# Allegro board BeagleV-FIRE_REV-A_230911.brd (continued)
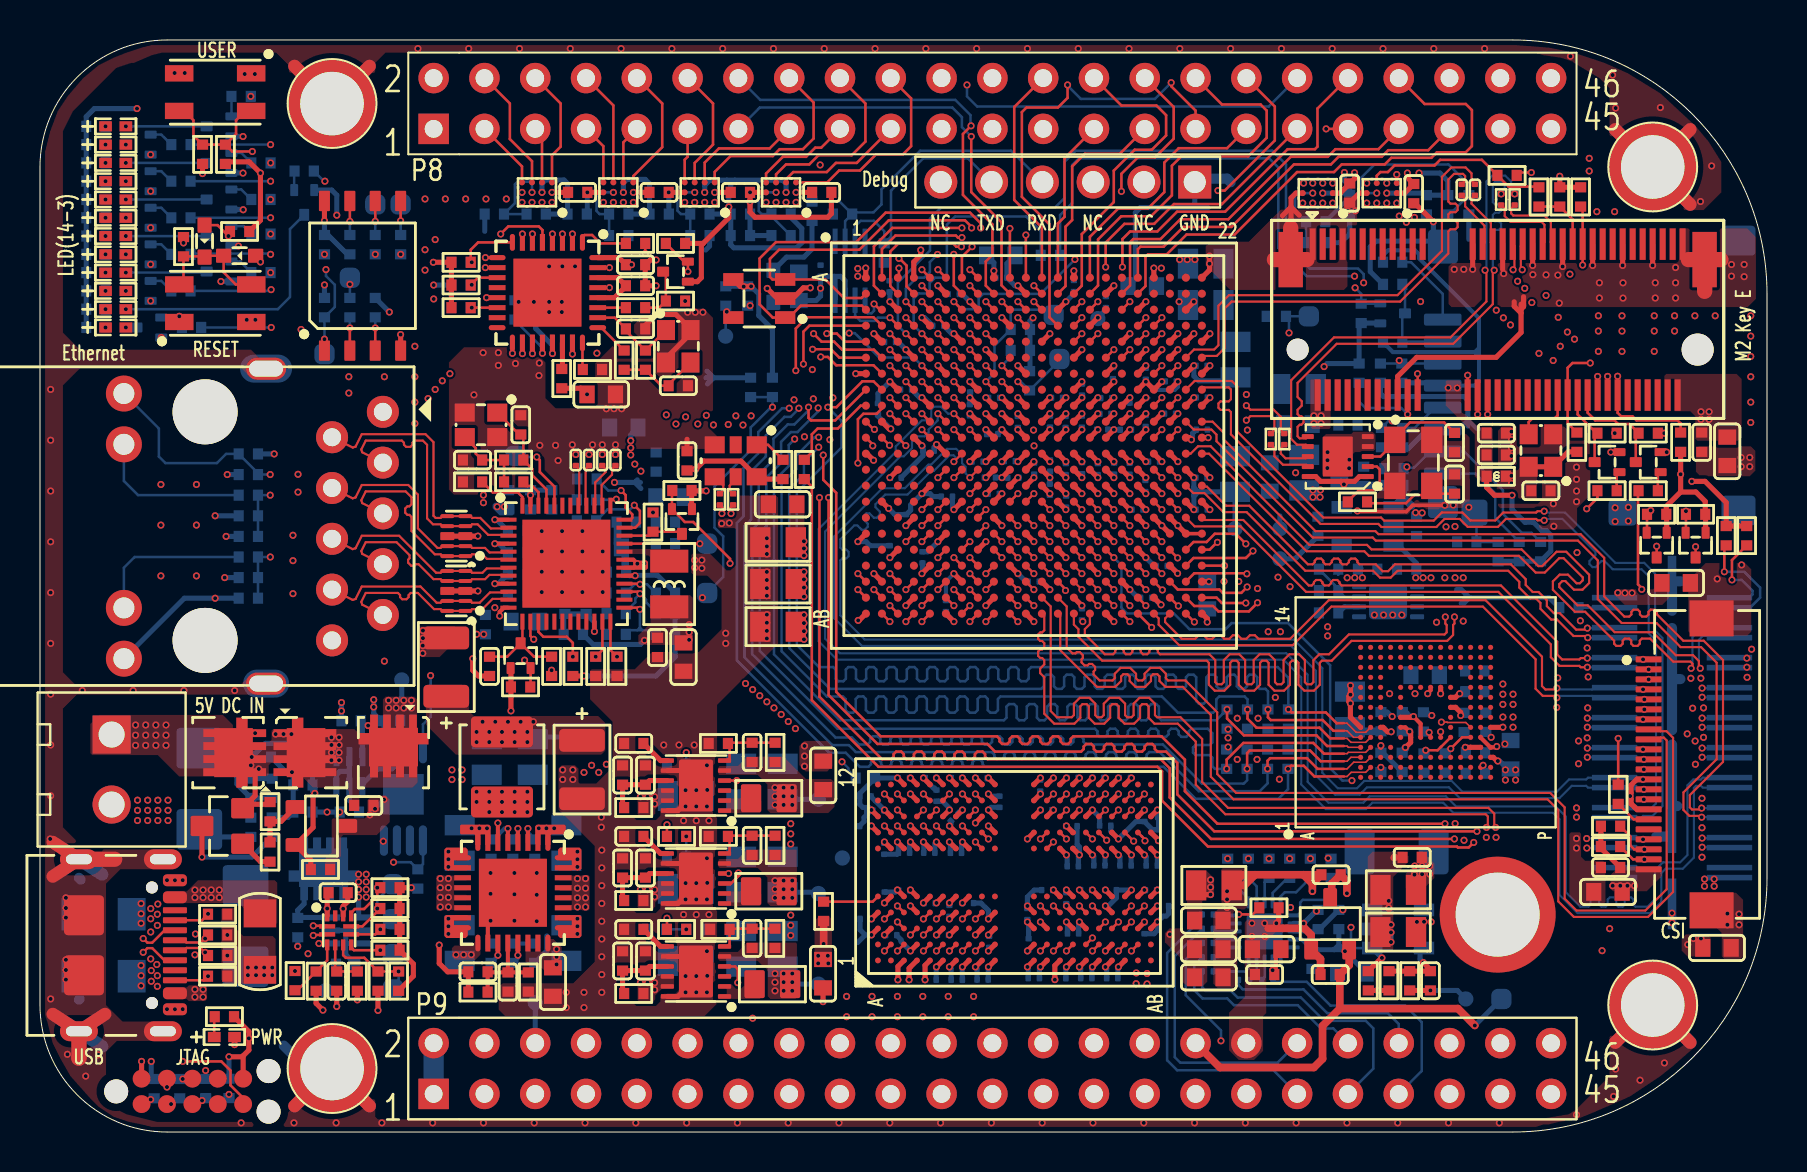
[diagram p0: board, top side]
## Routing (per net, layer and track width the routed paths; a pad name or vN(x,y) marks a point on that pad's centre or on a via; arc(x,y) is an arc through that point) (continued)
  TOP w0.127: U1.V21 57.68,29.5 58.33,29.5 58.75,29.92 59.8,29.92 v1(60.3,29.41)
  L10_SIG3 w0.102: v1(29.17,46.49) 29.32,46.35 29.32,46.34 29.52,46.13 31.3,46.13 32.6,44.84 35.94,44.84 36.78,44 38.98,44 43.34,48.36 58.71,48.36 60.3,46.78 60.3,37.61 60.73,37.18 60.73,34.66 60.3,34.22 v1(60.3,29.41)
B0_HSIO68P: length 56.3
  TOP w0.127: U1.W21 57.68,28.7 60.3,28.7 v1(60.66,29.06)
  L10_SIG3 w0.102: v1(29.67,46.49) 31.45,46.49 32.74,45.19 36.09,45.19 36.93,44.36 38.84,44.36 43.2,48.72 58.86,48.72 60.66,46.92 60.66,37.75 61.09,37.32 61.09,34.51 60.66,34.08 v1(60.66,29.06)
B0_HSIO69N: length 26.9
  TOP w0.127: U1.AA22 58.83,26.72 59.1,26.45 v1(60.3,26.45)
  L10_SIG3 w0.102: v1(64.14,46.45) 64.14,46.45 63.86,46.16 63.86,41.56 65.28,40.14 65.28,35.02 64.74,34.49 64.74,32.97 64.39,32.61 64.39,30.15 63.5,29.27 63.5,26.96 62.65,26.11 60.64,26.11 v1(60.3,26.45)
B0_HSIO69P: length 27.3
  TOP w0.127: v1(60.88,26.47) 60.45,26.04 58.93,26.04 58.66,26.3 57.72,26.3 U1.AA21
  L10_SIG3 w0.102: v1(63.64,46.45) 63.5,46.31 63.5,41.42 64.92,39.99 64.92,35.17 63.93,34.18 63.93,33.1 63.14,32.31 63.14,27.11 62.5,26.47 v1(60.88,26.47)
B0_HSIO70N: length 27.5
  TOP w0.107: U1.AB20 56.26,25.68 56.26,25.5 57.1,24.66 57.76,24.66 57.94,24.84 58.19,24.84 58.37,24.66 58.62,24.66 58.8,24.84 59.04,24.84 59.22,24.66 59.47,24.66 59.65,24.84 59.9,24.84 60.08,24.66 60.33,24.66 60.5,24.84 60.75,24.84 60.93,24.66 62.51,24.66 64.44,26.59 72.29,26.59 75.11,23.77 75.11,22.3 75.28,22.13 75.78,22.13 v1(75.85,22.2)
  BOTTOM w0.107: J8.14 77.69,22.22 77.6,22.13 75.92,22.13 v1(75.85,22.2)
B0_HSIO70P: length 27.5
  TOP w0.107: U1.AB19 55.94,25.68 55.94,25.37 56.97,24.34 62.65,24.34 64.58,26.27 72.15,26.27 74.79,23.64 74.79,22.17 75.15,21.81 75.78,21.81 75.85,21.74 v1(75.85,21.72)
  BOTTOM w0.107: J8.16 77.69,21.72 77.6,21.81 75.94,21.81 v1(75.85,21.72)
B0_HSIO71N: length 26.6
  TOP w0.127: v1(56.93,26.31) 56.92,26.31 U1.AA20
  L5_SIG2 w0.086: v1(56.93,26.31) 57.15,26.08 57.28,26.08 57.57,26.38 58.69,26.38 60.6,24.46 74.33,24.46 75.44,23.36 75.44,20.71 75.52,20.63 77,20.63 77.07,20.7 v1(77.38,20.7)
  BOTTOM w0.107: v1(77.38,20.7) 78.72,20.7 J8.18
B0_HSIO71P: length 26.5
  TOP w0.127: v1(57.73,25.51) 57.71,25.51 U1.AB21
  L5_SIG2 w0.086: v1(77.38,20.24) 77.07,20.24 77,20.31 75.39,20.31 75.12,20.58 75.12,23.23 74.2,24.15 60.47,24.15 59.93,24.68 59.77,24.68 59.61,24.85 59.61,25.01 59.45,25.17 59.28,25.17 59.12,25.34 59.12,25.5 58.56,26.06 57.7,26.06 57.5,25.86 57.5,25.74 v1(57.73,25.51)
  BOTTOM w0.107: v1(77.38,20.24) 78.72,20.24 J8.20
B0_HSIO72N: length 59.5
  TOP w0.127: U1.V19 v1(56.1,28.72)
  L3_SIG1 w0.102: v1(59.21,27.53) 58.95,27.53 58.6,27.88 57.97,27.88 57.56,28.3 56.82,28.3 56.39,28.72 v1(56.1,28.72)
  L10_SIG3 w0.102: v1(25.1,46.49) 25.46,46.13 27.35,46.13 28.06,45.42 31.01,45.42 32.3,44.13 35.65,44.13 36.48,43.29 39.28,43.29 42.29,46.3 58.45,46.3 59.59,45.17 59.59,27.91 v1(59.21,27.53)
B0_HSIO72P: length 59.2
  TOP w0.127: U1.V20 56.5,29.1 v1(56.89,28.71)
  L3_SIG1 w0.102: v1(56.89,28.71) 57.65,28.71 58.12,28.23 58.76,28.23 59.11,27.89 59.36,27.89 59.72,27.53 v1(59.94,27.53)
  L10_SIG3 w0.102: v1(59.94,27.53) 59.94,45.31 58.6,46.66 42.14,46.66 39.13,43.65 36.63,43.65 35.79,44.48 32.45,44.48 31.15,45.78 28.21,45.78 27.5,46.49 v1(25.6,46.49)
B0_HSIO73N_C2P_CLKN: length 50.4
  TOP w0.127: U1.U17 v1(54.5,29.52)
  L3_SIG1 w0.086: v1(54.5,29.52) 54.88,29.9 56.33,29.9 56.68,29.55 57.77,29.55 58.27,29.06 59.2,29.06 59.29,29.14 59.29,29.28 59.38,29.36 59.55,29.36 59.63,29.28 59.63,29.14 59.72,29.06 60.13,29.06 60.5,28.68 60.8,28.68 61.44,28.04 61.44,27.61 62.41,26.64 75.31,26.64 75.87,27.2 78.03,27.2 79.09,26.14 82.83,26.14 84.01,24.97 84.01,18.5 83.23,17.72 82.4,17.72 81.82,17.14 81.82,15.9 81.35,15.43 79.65,15.43 78.49,14.28 77.44,14.28 77.36,14.2 v1(77.35,14.2)
  BOTTOM w0.107: J8.36 78.72,14.2 v1(77.35,14.2)
B0_HSIO73P_C2P_CLKP: length 50.4
  TOP w0.127: U1.T17 v1(54.5,30.32)
  L3_SIG1 w0.086: v1(77.34,14.68) 77.36,14.68 77.44,14.6 78.36,14.6 79.51,15.75 81.22,15.75 81.5,16.04 81.5,17.27 82.27,18.03 83.1,18.03 83.69,18.63 83.69,24.84 82.7,25.83 78.96,25.83 77.9,26.89 76,26.89 75.44,26.33 62.28,26.33 61.13,27.48 61.13,27.91 60.67,28.37 60.37,28.37 60,28.74 58.14,28.74 57.64,29.24 56.64,29.24 56.56,29.15 54.26,29.15 54.1,29.31 54.1,29.72 54.5,30.12 v1(54.5,30.32)
  BOTTOM w0.107: v1(77.34,14.68) 78.7,14.68 J8.34
B0_HSIO75N: length 57.9
  TOP w0.127: U1.R16 v1(53.7,31.12)
  L3_SIG1 w0.102: v1(53.7,31.12) 54.12,31.55 55.14,31.55 55.14,31.54 58.97,31.54 59.84,32.41 61.62,32.41 62.18,32.97 v1(62.79,32.97)
  L10_SIG3 w0.102: v1(62.79,32.97) 62.79,33.19 63.22,33.62 63.22,37.8 64.16,38.74 64.16,39.75 62.79,41.12 62.79,47.81 62.13,48.47 62.13,50.99 61.15,51.97 41.7,51.97 40.74,51.01 40.74,49.28 37.95,46.49 v1(37.81,46.49)
B0_HSIO75P: length 62.8
  TOP w0.127: U1.T16 v1(53.7,30.32)
  L3_SIG1 w0.102: v1(53.7,30.32) 54.11,30.73 56.21,30.73 56.54,30.4 56.54,30.18 56.8,29.92 60.48,29.92 61.91,28.49 v1(61.91,27.75)
  L10_SIG3 w0.102: v1(61.91,27.75) 62.08,27.91 62.08,33.49 62.51,33.92 62.51,37.91 62.08,38.34 62.08,47.51 61.42,48.17 61.42,50.69 60.85,51.26 41.99,51.26 41.45,50.72 41.45,48.99 38.25,45.78 37.52,45.78 36.95,46.34 36.95,46.35 v1(36.81,46.49)
B0_HSIO76N_VIO_EN: length 32.9
  TOP w0.127: U1.V16 v1(53.7,28.72)
  TOP w0.254: R253.1 67.08,8.71 v1(67.1,8.71)
  L10_SIG3 w0.102: v1(65.56,10.24) 65.91,10.59 65.91,16.74 65.57,17.09 65.57,17.53 v1(65.6,17.57)
  BOTTOM w0.127: v1(65.56,10.24) 65.56,9.42 65.78,9.2 U36.1 ; v1(65.6,17.57) 65.13,17.57 64.52,18.19 64.52,23.34 62.41,25.45 59.59,25.45 59.28,25.15 57.48,25.15 56.69,25.93 54.36,25.93 54.08,26.21 54.08,28.35 v1(53.7,28.72)
  BOTTOM w0.254: v1(67.1,8.71) 66.62,9.19 U36.1
B0_HSIO76P: length 30.3
  TOP w0.127: U1.V17 v1(54.5,28.72)
  L5_SIG2 w0.102: v1(62.51,27.27) 61.83,27.27 61.27,27.84 61.27,28.24 60.83,28.68 60.35,28.68 59.92,29.1 54.88,29.1 v1(54.5,28.72)
  L10_SIG3 w0.102: v1(62.51,27.27) 62.79,27.55 62.79,32.46 63.58,33.25 63.58,34.33 64.57,35.32 64.57,39.85 63.14,41.27 v1(63.14,46.45)
B0_HSIO78N: length 31.5
  TOP w0.127: U1.AA18 v1(55.3,26.32)
  L10_SIG3 w0.102: v1(64.64,46.45) 64.64,46.45 64.21,46.01 64.21,41.71 65.63,40.29 65.63,34.88 65.1,34.34 65.1,32.82 64.74,32.46 64.74,30.01 63.86,29.12 63.86,26.81 62.8,25.76 60.73,25.76 60.02,25.04 56.58,25.04 v1(55.3,26.32)
B0_HSIO78P: length 32.5
  TOP w0.127: U1.AB18 v1(55.59,25.23)
  L10_SIG3 w0.102: v1(55.59,25.23) 55.89,25.23 56.43,24.69 60.17,24.69 60.88,25.4 62.94,25.4 64.21,26.67 64.21,28.97 65.1,29.86 65.1,31.74 65.58,32.23 65.58,32.81 65.99,33.22 65.99,40.44 64.57,41.86 64.57,43.8 66.34,45.58 v1(66.34,46.45)
B0_HSIO79N: length 61.8
  TOP w0.127: U1.W18 v1(55.3,27.92)
  L10_SIG3 w0.102: v1(55.3,27.92) 55.3,27.68 55.68,27.3 55.68,26.82 55.78,26.72 57.1,26.72 57.2,26.82 61.49,26.82 62.43,27.77 62.43,33.34 62.86,33.77 62.86,37.95 63.8,38.89 63.8,39.6 62.43,40.98 62.43,47.66 61.77,48.32 61.77,50.84 61,51.61 41.84,51.61 41.1,50.87 41.1,49.13 38.1,46.13 37.66,46.13 v1(37.31,46.49)
B0_HSIO81N: length 37.9
  TOP w0.127: U1.AA17 v1(54.5,26.32)
  L3_SIG1 w0.086: v1(54.5,26.32) 54.74,26.08 55.01,26.08 55.17,25.92 56.45,25.92 58.79,23.58 76.15,23.58 76.75,22.99 76.75,22.42 76.92,22.24 77.58,22.24 79.72,24.37 80.63,24.37 81.37,23.63 81.37,19.88 82.12,19.13 82.74,19.13 82.81,19.2 v1(83.12,19.2)
  BOTTOM w0.107: v1(83.12,19.2) 84.46,19.2 J8.21
B0_HSIO81P: length 37.9
  TOP w0.127: U1.AB17 v1(54.5,25.52)
  L3_SIG1 w0.086: v1(54.5,25.52) 54.74,25.77 54.88,25.77 55.04,25.61 56.32,25.61 58.66,23.27 76.02,23.27 76.43,22.86 76.43,22.28 76.79,21.92 77.71,21.92 79.85,24.05 80.5,24.05 81.05,23.5 81.05,19.74 81.99,18.81 82.74,18.81 82.81,18.74 v1(83.12,18.74)
  BOTTOM w0.107: J8.23 84.46,18.74 v1(83.12,18.74)
B0_HSIO82N: length 37.8
  TOP w0.127: U1.Y16 v1(53.7,27.12)
  L3_SIG1 w0.086: v1(53.7,27.12) 54.08,27.51 56.25,27.51 56.71,27.05 57.16,27.05 57.46,26.75 58.59,26.75 60.94,24.39 74.7,24.39 76.61,26.3 77.57,26.3 78.5,25.37 80.74,25.37 82.13,23.98 82.13,20.92 82.42,20.63 82.74,20.63 82.81,20.7 v1(83.12,20.7)
  BOTTOM w0.107: J8.17 84.46,20.7 v1(83.12,20.7)
B0_HSIO82P: length 37.8
  TOP w0.127: U1.AA16 v1(53.7,26.32)
  L3_SIG1 w0.086: v1(83.12,20.24) 82.81,20.24 82.74,20.31 82.29,20.31 81.82,20.79 81.82,23.85 80.61,25.06 78.37,25.06 77.44,25.99 76.74,25.99 74.83,24.08 60.81,24.08 59.81,25.08 59.66,25.08 59.49,25.25 59.49,25.4 59.32,25.57 59.17,25.57 59,25.73 59,25.89 58.46,26.43 57.33,26.43 57.03,26.73 54.11,26.73 v1(53.7,26.32)
  BOTTOM w0.107: J8.19 84.46,20.24 v1(83.12,20.24)
B0_HSIO83N: length 31.8
  TOP w0.127: U1.W17 v1(54.5,27.92)
  L5_SIG2 w0.086: v1(54.5,27.92) 54.26,27.68 54.26,27.56 54.35,27.47 54.36,27.47 54.64,27.47 54.85,27.27 54.85,26.97 55.12,26.7 55.45,26.7 55.67,26.48 55.67,26.14 55.95,25.87 56.18,25.87 56.31,25.73 56.31,25.51 56.44,25.38 56.67,25.38 56.8,25.25 56.8,25.02 56.93,24.89 57.15,24.89 57.29,24.76 57.29,24.53 57.42,24.4 57.64,24.4 57.77,24.27 57.77,24.04 58.21,23.61 73.82,23.61 74.46,22.97 74.46,19.73 75.05,19.13 77,19.13 77.07,19.2 v1(77.38,19.2)
  BOTTOM w0.107: J8.22 78.72,19.2 v1(77.38,19.2)
B0_HSIO83P: length 31.8
  TOP w0.127: U1.W16 v1(53.7,27.92)
  L5_SIG2 w0.086: v1(77.38,18.74) 77.07,18.74 77,18.81 74.92,18.81 74.14,19.59 74.14,22.83 73.69,23.29 58.08,23.29 55.42,25.95 55.14,25.95 54.93,26.17 54.93,26.44 54.9,26.47 54.6,26.78 54.36,26.78 54.15,26.98 54.15,27.22 53.94,27.43 53.94,27.68 v1(53.7,27.92)
  BOTTOM w0.107: J8.24 78.72,18.74 v1(77.38,18.74)
B0_HSIO89P: length 64.1
  TOP w0.127: v1(51.3,27.92) U1.W13
  L3_SIG1 w0.102: v1(51.3,27.92) 51.68,28.3 56.26,28.3 56.53,28.03 56.53,27.79 56.84,27.48 57.91,27.48 58.27,27.13 59.92,27.13 60.17,26.87 60.58,26.87 v1(60.88,27.18)
  L10_SIG3 w0.102: v1(60.88,27.18) 60.88,27.22 61.72,28.06 61.72,33.63 62.15,34.07 62.15,37.76 61.72,38.2 61.72,47.37 61.06,48.03 61.06,50.55 60.71,50.9 42.14,50.9 41.81,50.57 41.81,48.84 38.39,45.42 37.37,45.42 36.31,46.48 v1(36.31,46.49)
B0_HSIO90N: length 56.1
  TOP w0.127: U1.V15 v1(52.9,28.72)
  L3_SIG1 w0.102: v1(52.9,28.72) 52.49,29.13 51.21,29.13 50.9,29.44 50.9,30.48 50.67,30.71 50.41,30.71 49.34,31.78 49.3,31.82 49.3,32.18 49.15,32.33 43.97,32.33 43.53,31.9 42.09,31.9 41.18,30.99 36.08,30.99 34.81,29.72 33.75,29.72 33.24,30.23 28.99,30.23 27.08,32.13 25.28,32.13 20.14,37.27 20.14,37.54 v1(20.12,37.57)
  L5_SIG2 w0.102: v1(28.17,46.49) 28.17,46.03 27.94,45.8 21.67,45.8 20.12,44.25 v1(20.12,37.57)
B0_HSIO90P: length 58.9
  TOP w0.127: U1.V14 v1(52.1,28.72)
  L3_SIG1 w0.102: v1(20.5,37.92) 20.5,37.41 25.43,32.49 27.23,32.49 29.13,30.58 33.3,30.58 33.39,30.58 33.9,30.07 34.66,30.07 35.93,31.34 41.03,31.34 41.94,32.25 43.38,32.25 43.82,32.69 44.27,32.69 44.7,33.12 49.2,33.12 49.3,33.22 49.3,33.91 v1(49.71,34.32)
  L5_SIG2 w0.102: v1(20.5,37.92) 20.5,44.12 21.79,45.42 28.4,45.42 28.67,45.69 v1(28.67,46.49) ; v1(52.1,28.72) 51.72,29.1 51.72,33.99 51.39,34.32 v1(49.71,34.32)
B0_HSIO94N: length 57.6
  TOP w0.127: U1.T12 v1(50.5,30.32)
  L3_SIG1 w0.102: v1(19.76,37.13) 19.77,37.13 25.13,31.78 26.93,31.78 28.84,29.87 33.1,29.87 33.6,29.36 34.96,29.36 36.23,30.63 41.33,30.63 42.23,31.54 49.03,31.54 50.25,30.32 v1(50.5,30.32)
  L5_SIG2 w0.102: v1(33.24,46.49) 33.24,45.74 32.97,45.47 29.74,45.47 28.8,44.53 21.4,44.53 20.85,43.98 20.85,37.36 20.62,37.13 v1(19.76,37.13)
B0_HSIO94P: length 59.7
  TOP w0.127: U1.U12 v1(50.5,29.52)
  L3_SIG1 w0.102: v1(50.5,29.52) 50.5,29.79 50.32,29.97 49.55,29.97 49.3,30.22 49.3,30.51 49.06,30.74 42.73,30.74 42.42,30.43 41.63,30.43 41.47,30.28 36.37,30.28 35.1,29.01 32.79,29.01 32.28,29.51 28.69,29.51 26.79,31.42 24.45,31.42 24.17,31.7 24.17,32.23 19.73,36.68 v1(19.41,36.68)
  L5_SIG2 w0.102: v1(19.41,36.68) 20.81,36.68 21.21,37.07 21.21,43.83 21.55,44.17 28.95,44.17 29.89,45.11 33.45,45.11 33.74,45.4 v1(33.74,46.49)
B1_GPIO0N: length 86.5
  TOP w0.127: U1.C12 v1(49.7,41.52)
  L5_SIG2 w0.102: v1(73.53,40.36) 69.88,40.36 69.44,40.79 65.58,40.79 64.24,42.14 56.49,42.14 56.28,42.35 54.27,42.35 53.87,41.96 50.14,41.96 v1(49.7,41.52)
  L10_SIG3 w0.102: v1(73.53,40.36) 73.53,37.16 72.71,36.34 71.74,36.34 71.5,36.1 71.5,35.17 72.16,34.51 72.16,24.86 70.95,23.65 67.47,23.65 66.29,22.47 66.29,17.4 66.62,17.07 66.62,9.31 63.79,6.48 49.56,6.48 48.89,5.82 48.89,3.17 P9.23
B1_GPIO0P: length 84.3
  TOP w0.127: U1.B12 v1(49.7,42.32)
  L5_SIG2 w0.102: v1(73.18,40.72) 70.02,40.72 69.59,41.15 65.73,41.15 64.38,42.49 56.64,42.49 56.42,42.71 50.83,42.71 50.44,42.32 v1(49.7,42.32)
  L10_SIG3 w0.102: P9.24 47.62,6.17 48.29,6.83 63.65,6.83 66.27,9.45 66.27,16.93 65.94,17.26 65.94,22.62 67.32,24 70.8,24 71.81,25.01 71.81,34.36 71.14,35.02 71.14,36.25 71.59,36.69 72.56,36.69 73.18,37.31 v1(73.18,40.72)
B1_GPIO1N: length 11.2
  TOP w0.127: U1.A12 50.1,45.23 48.72,46.61 48.72,51.26 P8.26
B1_GPIO1P: length 8.2
  TOP w0.127: U1.A13 50.9,45.43 51.23,45.77 51.23,48.69 P8.27
B1_GPIO2N: length 15.9
  TOP w0.127: U1.D14 v1(52.1,40.72) ; v1(54.08,47.04) 54.08,47.92 54.9,48.74 55.76,48.74 56.69,49.68 56.69,51.26 P8.30
  L3_SIG1 w0.102: v1(52.1,40.72) 51.71,41.11 51.71,42.18 54.08,44.55 v1(54.08,47.04)
B1_GPIO2P: length 23.3
  TOP w0.127: v1(51.38,52.36) 51.38,51.71 50.9,51.23 49.33,51.23 49.1,51 49.1,46.77 50.48,45.38 50.48,40.74 U1.D13 ; P8.31 57.78,51.08 56.57,52.3 v1(56.57,52.48)
  BOTTOM w0.127: v1(56.57,52.48) 55.75,51.66 52.04,51.66 51.38,52.32 v1(51.38,52.36)
B1_GPIO3N: length 15.7
  TOP w0.127: U1.B14 52.1,42.32 52.1,44.9 53.7,46.5 53.7,48.08 54.74,49.12 55.6,49.12 56.31,49.83 56.31,50.85 55.83,51.33 54.08,51.33 P8.28
B1_GPIO3P: length 11.1
  TOP w0.127: P8.29 54,48.92 52.25,48.92 51.61,48.29 51.61,45.61 51.28,45.28 51.28,42.3 U1.B13
B1_GPIO4N: length 17.8
  TOP w0.127: P8.34 61.75,51.28 61.75,49.59 59.24,47.08 v1(58.9,47.08) ; U1.C15 v1(52.9,41.52)
  L3_SIG1 w0.102: v1(52.9,41.52) 52.9,42.28 53.75,43.13 53.75,43.71 55.45,45.42 58.17,45.42 58.9,46.15 v1(58.9,47.08)
B1_GPIO4P: length 15.9
  TOP w0.127: P8.35 59.11,46.41 56.7,46.41 55.71,45.42 54.23,45.42 53.29,44.48 v1(53.29,43.26) ; U1.C14 v1(52.1,41.52)
  L3_SIG1 w0.102: v1(52.1,41.52) 52.1,42.07 v1(53.29,43.26)
B1_GPIO5N: length 19.9
  TOP w0.127: P8.32 59.11,51.38 61.04,51.38 61.34,51.08 61.34,49.72 60.42,48.79 57.07,48.79 56.6,48.32 56.6,46.84 55.56,45.8 54.07,45.8 52.91,44.64 52.91,42.33 U1.B15
B1_GPIO5P: length 13
  TOP w0.127: U1.A15 52.5,44.77 53.91,46.18 55.4,46.18 56.22,47 56.22,48.48 56.94,49.2 59.36,49.2 P8.33
B1_GPIO9N: length 71.6
  TOP w0.127: U1.E14 v1(52.1,39.92)
  L5_SIG2 w0.102: v1(52.1,39.92) 52.48,40.3 52.48,40.87 52.72,41.1 53.52,41.1 54.35,41.94 56,41.94 56.79,41.15 58.9,41.15 59.53,41.78 64.09,41.78 65.44,40.44 69.3,40.44 69.73,40 v1(76.38,40)
  L10_SIG3 w0.102: v1(76.38,40) 76.38,34.62 77.8,33.2 77.8,30.49 77.48,30.17 77.48,27.63 77.8,27.31 77.8,13.39 77.4,12.99 77.4,8.32 76.28,7.19 76.28,3.63 76,3.35 71.58,3.35 P9.42
B1_GPIO9P: length 70.5
  TOP w0.127: U1.E15 v1(52.9,39.92)
  L5_SIG2 w0.102: v1(52.9,39.92) 54.1,41.12 56.31,41.12 56.64,40.79 59.04,40.79 59.68,41.43 63.94,41.43 65.29,40.08 69.15,40.08 69.58,39.65 v1(76.73,39.65)
  L10_SIG3 w0.102: v1(76.73,39.65) 76.73,34.77 78.16,33.35 78.16,30.33 77.84,30.01 77.84,27.79 78.16,27.47 78.16,13.23 78.15,13.23 77.76,12.84 77.76,8.17 76.63,7.05 76.63,3.48 76.15,3 71.58,3 P9.41
B1_GPIO11N: length 78.4
  TOP w0.127: U1.F16 v1(53.7,39.12)
  L5_SIG2 w0.102: v1(74.96,38.94) 69.29,38.94 68.85,39.37 64.99,39.37 63.65,40.72 59.97,40.72 58.78,39.52 54.1,39.52 v1(53.7,39.12)
  L10_SIG3 w0.102: v1(74.96,38.94) 74.96,36.39 73.99,35.42 73.99,24.81 74.85,23.94 74.85,13.88 75.97,12.77 75.97,8.9 74.21,7.14 71.06,7.14 70.55,6.63 67.34,6.63 66.13,5.42 66.13,4.15 65.7,3.72 55.97,3.72 P9.30
B1_GPIO11P: length 79.3
  TOP w0.127: U1.F17 v1(54.5,39.12)
  L5_SIG2 w0.102: v1(54.5,39.12) 54.89,38.73 58.5,38.73 60.12,40.36 63.5,40.36 64.85,39.01 68.71,39.01 69.14,38.58 v1(75.67,38.58)
  L10_SIG3 w0.102: v1(75.67,38.58) 75.67,34.33 76.08,33.91 76.08,24.37 76.25,24.21 76.25,20.6 75.56,19.91 75.56,14.18 76.68,13.06 76.68,8.61 74.5,6.43 71.35,6.43 70.85,5.92 67.63,5.92 66.84,5.13 66.84,3.67 66.18,3.01 56.35,3.01 P9.29
B1_GPIO14N: length 106.9
  TOP w0.127: U1.D19 v1(56.1,40.72)
  L3_SIG1 w0.102: P9.13 36.02,3 56.08,3 56.77,3.7 56.77,5.21 57.38,5.82 75.13,5.82 78.11,8.8 v1(78.11,9.07) ; v1(76.5,42.9) 76.5,43.94 76.29,44.15 68.88,44.15 66.23,41.5 61.82,41.5 60.66,40.34 56.48,40.34 v1(56.1,40.72)
  L10_SIG3 w0.102: v1(76.5,42.9) 76.5,40.51 77.14,39.88 77.14,34.86 79.79,32.21 79.79,28.78 78.51,27.5 78.51,13.09 78.12,12.69 78.12,9.07 v1(78.11,9.07)
B1_GPIO15N: length 19.6
  TOP w0.127: U1.C17 v1(54.5,41.52) ; P8.38 63.88,51.18 63.88,49.28 63.75,49.15 62.39,49.15 59.26,46.02 56.86,46.02 55.87,45.03 54.51,45.03 54.13,44.65 v1(54.13,43.26)
  L3_SIG1 w0.102: v1(54.5,41.52) 54.13,41.9 v1(54.13,43.26)
B1_GPIO15P: length 18.5
  TOP w0.127: U1.B17 54.51,42.33 54.51,44.5 54.67,44.65 56.03,44.65 57.02,45.64 59.42,45.64 62.55,48.77 64.39,48.77 64.78,49.15 66.93,49.15 P8.39
B1_GPIO16N: length 77.2
  TOP w0.127: U1.E18 v1(55.3,39.92)
  L5_SIG2 w0.102: v1(76.02,39.29) 69.43,39.29 69,39.73 65.14,39.73 63.79,41.07 59.83,41.07 59.03,40.28 56.28,40.28 56.26,40.3 55.94,40.3 55.9,40.26 55.64,40.26 v1(55.3,39.92)
  L10_SIG3 w0.102: P9.31 58.53,2.65 66.33,2.65 67.2,3.52 67.2,4.98 67.78,5.56 70.99,5.56 71.5,6.07 74.65,6.07 77.04,8.46 77.04,13.21 75.92,14.33 75.92,19.77 76.61,20.45 76.61,24.35 76.44,24.52 76.44,34.06 76.02,34.47 v1(76.02,39.29)
B1_GPIO16P: length 32.8
  TOP w0.127: U1.D18 v1(55.3,40.72)
  L3_SIG1 w0.102: P8.46 77.24,51.03 77.24,49.33 76.58,48.67 76.58,44.75 76.33,44.51 68.74,44.51 66.09,41.86 61.68,41.86 60.54,40.72 56.79,40.72 56.39,41.12 55.7,41.12 v1(55.3,40.72)
B1_GPIO17N: length 26.7
  TOP w0.127: U1.B18 55.28,42.3 55.28,43.76 55.41,43.89 56.35,43.89 57.34,44.88 59.74,44.88 62.86,48.01 64.71,48.01 65.09,48.39 67.24,48.39 67.58,48.72 69.58,48.72 69.86,49 71.3,49 71.6,49.3 71.6,51.1 71.3,51.41 69.24,51.41 P8.40
B1_GPIO17P: length 19.5
  TOP w0.127: U1.A18 54.9,44.15 55.03,44.27 56.19,44.27 57.18,45.26 59.58,45.26 62.7,48.39 64.55,48.39 64.93,48.77 67.09,48.77 67.42,49.1 69.42,49.1 P8.41
B1_GPIO168N: length 40.1
  TOP w0.127: U1.D6 v1(44.9,40.72)
  L3_SIG1 w0.102: P8.42 69.74,51.96 45.96,51.96 45.6,51.6 43.97,51.6 43.28,50.91 43.28,49.5 42.6,48.82 42.6,45.2 43.33,44.47 43.33,42.85 43.72,42.46 43.72,42.17 43.94,41.94 44.24,41.94 44.48,41.7 44.48,41.4 44.9,40.98 v1(44.9,40.72)
B1_GPIO168P: length 42
  TOP w0.127: U1.D7 v1(45.7,40.72)
  L3_SIG1 w0.102: v1(45.7,40.72) 46.14,41.17 46.14,41.62 45.02,42.74 44.72,42.74 44.48,42.98 44.48,44.32 43.31,45.5 43.31,48.52 43.99,49.21 43.99,50.62 44.26,50.89 45.9,50.89 46.25,51.24 71.95,51.24 P8.43
B1_GPIO169N: length 33.3
  TOP w0.127: v1(42.95,43.69) 42.98,43.69 43.33,43.33 43.33,42.29 U1.B4
  L3_SIG1 w0.102: v1(42.95,43.69) 41.43,45.21 41.43,50.83 41.94,51.33 43.2,51.33 43.82,51.96 45.45,51.96 45.86,52.36 v1(46.36,52.36)
  BOTTOM w0.127: v1(46.36,52.36) 46.36,51.79 46.86,51.28 61.44,51.28 P8.36
B1_GPIO169P: length 32.2
  TOP w0.127: P8.37 v1(64.31,50.16) ; U1.C4 v1(43.3,41.52)
  L3_SIG1 w0.102: v1(44.88,43.89) 44.88,44.44 43.81,45.51 43.81,48.4 44.41,49 45.51,49 46.1,49.59 46.1,50.55 46.44,50.89 63.59,50.89 v1(64.31,50.16)
  BOTTOM w0.127: v1(43.3,41.52) 43.3,42.18 43.84,42.72 44.22,42.72 44.5,43 44.5,43.5 v1(44.88,43.89)
B1_GPIO170N: length 53.6
  TOP w0.127: U1.B5 v1(44.1,42.32)
  L5_SIG2 w0.102: P9.11 33.66,3.17 33.66,5.31 34.44,6.1 34.44,12.38 34.05,12.77 34.05,13.23 34.49,13.66 34.49,17.72 34.92,18.16 34.92,19.99 33.5,21.42 33.5,29.65 33.28,29.87 32.96,29.87 32.71,30.12 32.71,31.54 32.08,32.17 32.08,33.9 31.32,34.67 v1(31.32,35.86)
  L10_SIG3 w0.102: v1(44.1,42.32) 43.74,42.68 41.42,42.68 40.5,41.76 37.97,41.76 35.68,39.47 34.51,39.47 31.9,36.86 31.9,36.44 v1(31.32,35.86)
B1_GPIO170P: length 51.5
  TOP w0.127: U1.C5 v1(44.1,41.52)
  L3_SIG1 w0.102: P9.12 33.63,5.69 v1(35.64,5.69)
  L5_SIG2 w0.102: v1(35.64,5.69) 35.64,20.29 34.21,21.71 34.21,23.6 35.27,24.66 35.27,31.72 32.28,34.71 v1(32.28,35.76)
  L10_SIG3 w0.102: v1(32.28,35.76) 32.61,36.09 32.61,36.56 34.81,38.76 35.97,38.76 38.26,41.05 40.8,41.05 41.71,41.96 43.43,41.96 43.87,41.52 v1(44.1,41.52)
B1_GPIO171P: length 49.9
  TOP w0.127: U1.C6 v1(44.9,41.52)
  L5_SIG2 w0.102: P9.14 34.92,5.82 35.28,6.17 35.28,20.14 33.86,21.56 33.86,29.79 33.5,30.15 33.5,30.41 33.07,30.84 33.07,31.69 32.44,32.32 32.44,34.05 31.8,34.69 v1(31.8,35.41)
  L10_SIG3 w0.102: v1(31.8,35.41) 31.8,35.84 32.25,36.3 32.25,36.71 34.66,39.12 35.82,39.12 38.12,41.41 40.65,41.41 41.56,42.32 43.59,42.32 44,41.91 44.51,41.91 v1(44.9,41.52)
B1_GPIO172N: length 54.9
  TOP w0.127: U1.A5 v1(44.1,43.12)
  L5_SIG2 w0.102: v1(32.89,35.41) 32.89,34.6 35.62,31.87 35.62,24.51 34.57,23.46 34.57,21.86 35.99,20.44 35.99,6.53 36.47,6.05 36.47,2.9 P9.15
  L10_SIG3 w0.102: v1(32.89,35.41) 32.89,35.87 32.97,35.94 32.97,36.41 34.96,38.41 36.12,38.41 38.41,40.7 41.69,40.7 42.11,41.12 45.16,41.12 45.32,41.28 45.32,42.49 45.09,42.72 44.78,42.72 44.38,43.12 v1(44.1,43.12)
B1_GPIO172P: length 53
  TOP w0.127: U1.A6 v1(44.9,43.12)
  L5_SIG2 w0.102: P9.16 37.47,5.56 36.35,6.68 36.35,20.58 34.92,22.01 34.92,23.31 35.98,24.36 35.98,32.02 33.32,34.68 v1(33.32,35.84)
  L10_SIG3 w0.102: v1(33.32,35.84) 33.32,36.27 35.1,38.05 36.27,38.05 38.56,40.34 45.86,40.34 46.08,40.57 46.08,42.62 45.57,43.12 v1(44.9,43.12)
B1_GPIO173N: length 96.4
  TOP w0.127: v1(45.69,43.89) 45.69,42.33 U1.B7
  L5_SIG2 w0.102: v1(74.24,42.19) 70.56,42.19 69.62,43.13 67.36,43.13 66.57,43.92 61.11,43.92 60.15,44.88 51.49,44.88 50.04,43.43 47.22,43.43 46.77,43.89 v1(45.69,43.89)
  L10_SIG3 w0.102: v1(74.24,42.19) 74.24,36.69 72.87,35.32 72.87,24.64 74.14,23.37 74.14,13.59 75.26,12.47 75.26,9.19 73.91,7.85 66.17,7.85 64.09,5.77 52.04,5.77 51.38,5.11 51.38,3.12 P9.25
B1_GPIO173P: length 88.9
  TOP w0.127: v1(46.61,44.27) 46.1,43.76 U1.A7
  L5_SIG2 w0.102: v1(73.89,42.55) 70.71,42.55 69.77,43.48 67.51,43.48 66.72,44.27 61.26,44.27 60.29,45.24 51.34,45.24 49.9,43.79 47.37,43.79 46.89,44.27 v1(46.61,44.27)
  L10_SIG3 w0.102: P9.26 50.17,5.46 50.83,6.12 63.94,6.12 66.98,9.16 66.98,17.22 66.65,17.55 66.65,22.33 67.61,23.29 71.09,23.29 72.52,24.71 72.52,35.47 73.89,36.84 v1(73.89,42.55)
B1_GPIO174N: length 43.9
  TOP w0.127: U1.D8 v1(46.5,40.72)
  L3_SIG1 w0.102: v1(46.5,40.72) 46.16,40.39 45.49,40.39 45.28,40.6 45.28,41.68 45.02,41.94 44.74,41.94 44.52,42.17 44.52,42.44 44.22,42.74 43.94,42.74 43.69,43 43.69,44.61 42.95,45.35 42.95,48.67 43.64,49.36 43.64,50.76 44.12,51.24 45.75,51.24 46.1,51.6 71.92,51.6 P8.44
B1_GPIO174P: length 41.9
  TOP w0.127: U1.D9 v1(47.3,40.72)
  L3_SIG1 w0.102: v1(47.3,40.72) 46.86,41.17 46.86,41.67 46.58,41.94 46.32,41.94 45.28,42.98 45.28,44.54 44.17,45.65 44.17,48.25 44.56,48.64 45.66,48.64 46.45,49.43 69.94,49.43 70.19,49.17 74.57,49.17 P8.45
B1_GPIO175N: length 73
  TOP w0.127: U1.B8 v1(46.5,42.32)
  L5_SIG2 w0.102: v1(27.58,18.34) 27.58,18.93 31.33,22.68 31.33,25.91 31.65,26.22 31.65,31.1 31.01,31.73 31.01,33.46 30.25,34.22 30.25,36.74 31.91,38.41 35.57,38.41 38.64,41.48 40.73,41.48 41.52,42.26 43.5,42.26 43.94,42.7 43.95,42.7 43.99,42.74 46.08,42.74 v1(46.5,42.32)
  L10_SIG3 w0.102: P9.21 43.98,3.01 29.06,3.01 28.4,3.67 28.4,6.14 28.93,6.68 28.93,16.23 27.56,17.6 27.56,18.31 v1(27.58,18.34)
B1_GPIO175P: length 73.1
  TOP w0.127: U1.A8 v1(46.5,43.12)
  L5_SIG2 w0.102: v1(27.94,17.98) 27.94,18.78 31.69,22.53 31.69,25.76 32,26.08 32,31.24 31.37,31.88 31.37,33.61 30.61,34.37 30.61,36.6 32.06,38.05 35.72,38.05 38.79,41.12 40.88,41.12 41.66,41.9 46.71,41.9 46.84,42.04 46.84,42.79 v1(46.5,43.12)
  L10_SIG3 w0.102: v1(27.94,17.98) 27.94,17.72 29.29,16.38 29.29,6.53 28.75,5.99 28.75,3.82 29.2,3.37 44.01,3.37 P9.22
B1_GPIO176N: length 71.5
  TOP w0.127: U1.C9 v1(47.3,41.52)
  L5_SIG2 w0.102: v1(47.3,41.52) 47.3,42.83 46.65,43.48 46.64,43.48 46.62,43.5 43.94,43.5 43.72,43.28 43.72,42.98 43.35,42.62 41.37,42.62 40.59,41.83 38.5,41.83 35.42,38.76 31.77,38.76 29.9,36.89 29.9,34.08 30.66,33.31 30.66,31.58 31.29,30.95 31.29,26.37 30.98,26.06 30.98,22.82 27.2,19.05 v1(27.2,17.98)
  L10_SIG3 w0.102: P9.17 39.26,2.65 28.91,2.65 28.04,3.52 28.04,6.29 28.58,6.82 28.58,16.08 27.2,17.45 v1(27.2,17.98)
B1_GPIO176P: length 66.6
  TOP w0.127: U1.C10 v1(48.1,41.52)
  L5_SIG2 w0.102: v1(48.1,41.52) 47.72,41.14 42.26,41.14 41.88,40.77 38.94,40.77 35.87,37.69 32.21,37.69 30.96,36.45 30.96,34.52 31.72,33.76 31.72,32.03 32.36,31.39 32.36,25.93 32.04,25.61 32.04,22.38 28.32,18.66 v1(28.32,18.39)
  L10_SIG3 w0.102: v1(28.32,18.39) 28.32,17.85 29.64,16.53 29.64,6.38 29.11,5.85 29.11,3.96 29.35,3.72 39.28,3.72 P9.18
B1_GPIO178N: length 93
  TOP w0.127: U1.D11 v1(48.9,40.72)
  L5_SIG2 w0.102: v1(75.31,41.84) 70.41,41.84 69.47,42.77 67.28,42.77 66.5,43.56 60.97,43.56 60,44.53 51.64,44.53 50.19,43.08 48.89,43.08 48.52,42.7 48.52,41.1 v1(48.9,40.72)
  L10_SIG3 w0.102: v1(75.31,41.84) 75.31,36.24 74.35,35.27 74.35,24.95 75.21,24.09 75.21,14.03 76.33,12.91 76.33,8.75 74.36,6.78 71.21,6.78 70.7,6.27 67.48,6.27 66.48,5.28 66.48,3.81 66.04,3.37 54.17,3.37 P9.27
B1_GPIO178P: length 88.1
  TOP w0.127: U1.C11 v1(48.9,41.52)
  L5_SIG2 w0.102: v1(48.9,41.52) 49.26,41.88 49.26,42.4 49.58,42.72 50.34,42.72 51.79,44.17 59.85,44.17 60.82,43.21 66.45,43.21 67.23,42.42 69.33,42.42 70.26,41.48 v1(74.6,41.48)
  L10_SIG3 w0.102: P9.28 52.7,5.31 52.81,5.41 64.24,5.41 66.32,7.49 74.06,7.49 75.62,9.05 75.62,12.62 74.5,13.74 74.5,23.52 73.23,24.79 73.23,35.17 74.6,36.55 v1(74.6,41.48)
CAM_C_N: length 53.7
  TOP w0.107: U1.AB13 51.02,25.8 51.02,24.1 52.85,22.26 53.77,22.26 54.06,22.55 54.06,22.78 54.17,22.89 54.38,22.89 54.49,22.78 54.49,22.55 54.78,22.26 55.26,22.26 55.56,22.55 55.56,22.78 55.66,22.89 55.88,22.89 55.98,22.78 55.98,22.55 56.28,22.26 57.14,22.26 58.55,20.86 58.55,17.77 59.68,16.64 75.39,16.64 75.92,16.1 75.92,11.54 76.7,10.75 80.41,10.75 81.66,12.01 81.66,19.71 81.33,20.04 81.05,20.04 80.96,20.14 J7.8
CAM_C_P: length 53.8
  TOP w0.107: J7.9 80.96,19.63 81.05,19.72 81.2,19.72 81.34,19.58 81.34,12.14 80.28,11.07 76.83,11.07 76.24,11.67 76.24,16.24 75.52,16.96 59.81,16.96 58.87,17.9 58.87,20.99 57.28,22.58 56.41,22.58 56.3,22.69 56.3,22.92 56.01,23.21 55.53,23.21 55.24,22.92 55.24,22.69 55.13,22.58 54.92,22.58 54.81,22.69 54.81,22.92 54.51,23.21 54.04,23.21 53.74,22.92 53.74,22.69 53.63,22.58 52.99,22.58 52.69,22.88 52.69,23.03 52.76,23.11 52.76,23.26 52.61,23.41 52.46,23.41 52.38,23.33 52.23,23.33 52.08,23.48 52.08,23.63 52.15,23.7 52.15,23.85 52,24 51.84,24 51.78,23.94 51.63,23.94 51.34,24.23 51.34,26.28 U1.AA13
CAM_D0_N: length 50.7
  TOP w0.107: v1(72.33,15.23) 72.4,15.3 72.4,15.78 72.29,15.89 59.27,15.89 57.8,17.37 57.8,19.52 56.9,20.42 55.73,20.42 55.43,20.72 55.43,21.29 55.33,21.39 55.11,21.39 55.01,21.29 55.01,20.72 54.71,20.42 54.24,20.42 53.94,20.72 53.94,21.29 53.83,21.39 53.62,21.39 53.51,21.29 53.51,20.72 53.22,20.42 52.74,20.42 52.45,20.72 52.45,21.29 52.34,21.39 52.13,21.39 52.02,21.29 52.02,20.72 51.73,20.42 50.72,20.42 50.22,20.92 50.22,22.74 50.01,22.95 50.01,23.18 50.22,23.38 50.22,23.6 50.11,23.7 50.02,23.7 49.91,23.81 49.91,24.02 50.02,24.13 50.11,24.13 50.22,24.24 50.22,24.45 50.11,24.56 50.02,24.56 49.91,24.66 49.91,24.88 50.02,24.98 50.11,24.98 50.22,25.09 50.22,25.8 U1.AB12
  L3_SIG1 w0.086: v1(72.33,15.23) 72.33,15.54 72.4,15.61 72.4,16.6 72.87,17.07 77.1,17.07 78.02,17.99 78.02,21.47 79.59,23.04 80.35,23.04 v1(80.44,23.14)
